# Altium PCB board.PcbDoc (part 1 of 2)
Units mm, origin at the board's own origin, x right, y up, seen from the top; angles counter-clockwise.
Board outline 41.15 x 167 mm, 2 copper layers (Top Layer, Bottom Layer), stack 1.66 mm thick; 155 components, 89 nets, 438 pads, 210 vias.
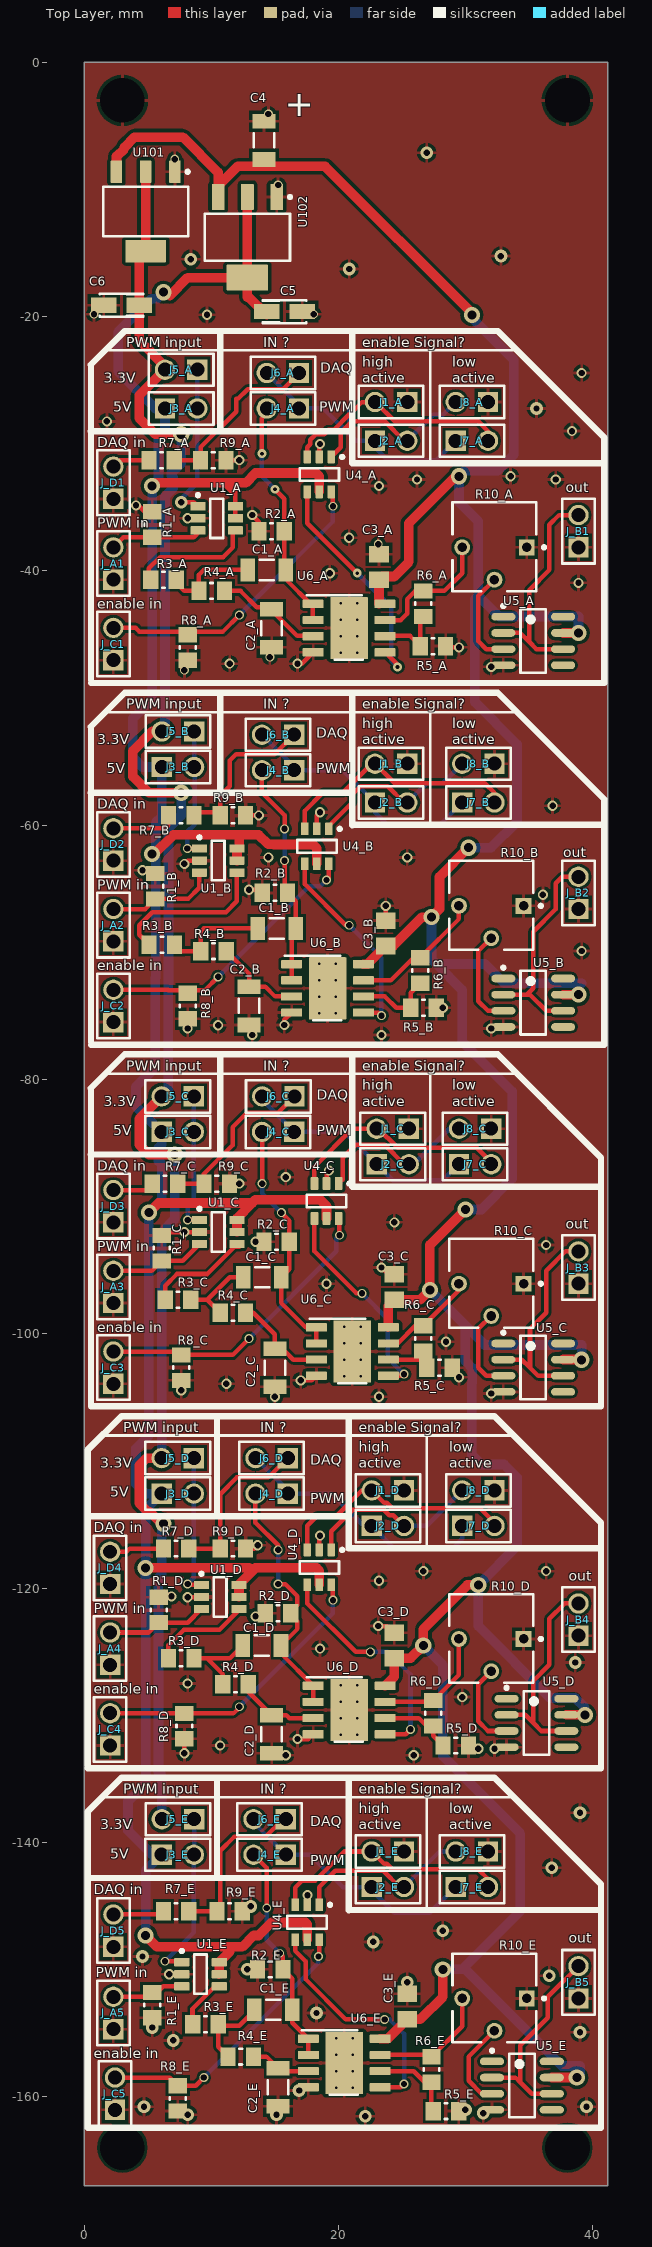
[diagram p0: Top Layer view]
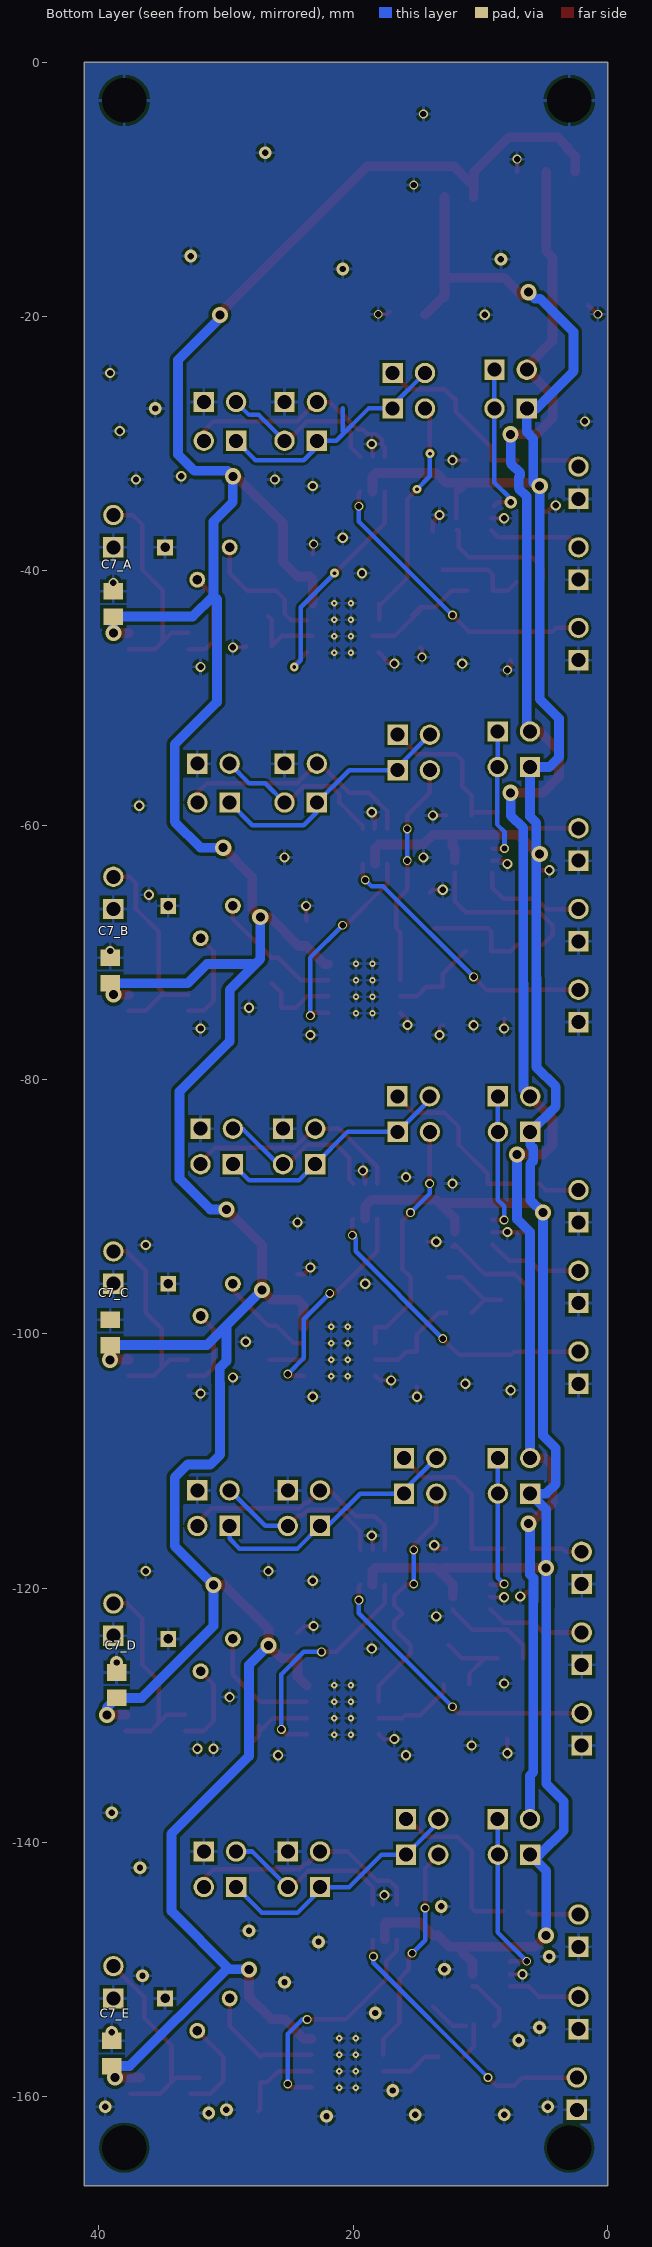
[diagram p1: Bottom Layer view, seen from below]
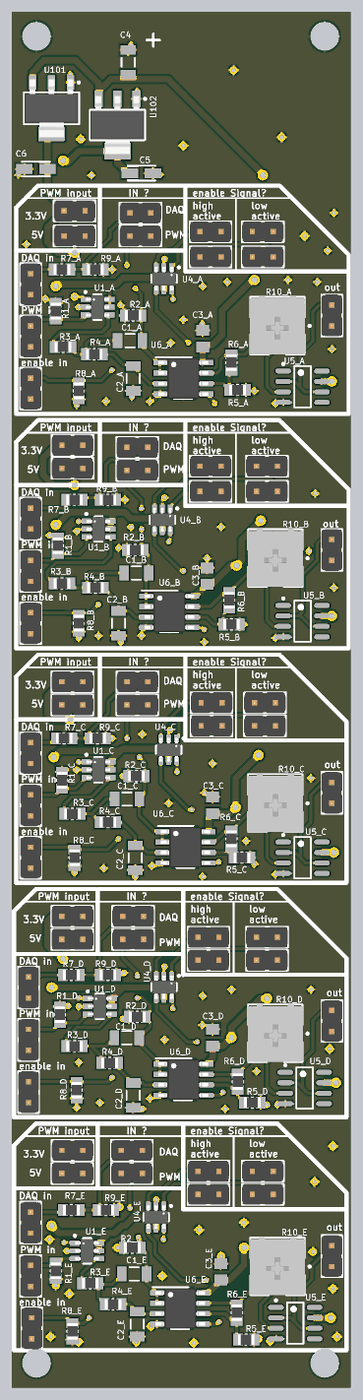
[diagram p3: 3D render of the assembled board from above, using the file's embedded part models]

## Layer stack, top to bottom
Top Solder: solder mask 0.0102, Solder Resist, Dk 3.5
Top Layer: signal copper 0.055
Dielectric1: dielectric 1.55, FR-4, Dk 4.8
Bottom Layer: signal copper 0.055
Bottom Solder: solder mask 0.0102, Solder Resist, Dk 3.5

## Board outline
0,-167 0,0 41.148,0 41.148,-167

## Design rules (kind name [scope] priority, off if disabled: settings)
Clearance clearance_polygons [InNamedPolygon('top_gnd_power')or InNamedPolygon('bottom_gnd_power') vs InNamedPolygon('top_gnd_uc')or InNamedPolygon('bottom_gnd_uc')] p1: gap=1.5 ignorepadtopadclearanceinfootprint=FALSE except(0: Arc-Hole Track-Hole SMDPad-Hole THPad-Hole Via-Hole Fill-Hole Poly-Hole Region-Hole Text-Hole)
Clearance ClearanceRoom [WithinRoom('less')  or WithinRoom('less1') or WithinRoom('less2') or WithinRoom('less3') or WithinRoom('less4')] p2: gap=0.203 ignorepadtopadclearanceinfootprint=FALSE except(0: Arc-Hole Track-Hole SMDPad-Hole THPad-Hole Via-Hole Fill-Hole Poly-Hole Region-Hole Text-Hole)
Clearance clearance_HP_class [InNetClass('high_power_net')] p3: gap=0.381 ignorepadtopadclearanceinfootprint=FALSE except(0: Arc-Hole Track-Hole SMDPad-Hole THPad-Hole Via-Hole Fill-Hole Poly-Hole Region-Hole Text-Hole)
Clearance "clearance_24V class" [InNetClass('24V_net')] p4: gap=0.254 ignorepadtopadclearanceinfootprint=FALSE except(0: Arc-Hole Track-Hole SMDPad-Hole THPad-Hole Via-Hole Fill-Hole Poly-Hole Region-Hole Text-Hole)
Clearance Clearance_1 [All] p5: gap=0.203 ignorepadtopadclearanceinfootprint=FALSE except(0: Arc-Hole Track-Hole SMDPad-Hole THPad-Hole Via-Hole Fill-Hole Poly-Hole Region-Hole Text-Hole)
FabricationTestPointUsage TestPointUsage [All] p1: valid=0 allowmultiple=FALSE
FabricationTestpoint Testpoint [All] p1: side=3 testpointundercomponent=TRUE minsize=1.016 maxsize=2.54 preferedsize=1.524 minholesize=0 maxholesize=1.016 preferedholesize=0.813 testpointgrid=0.025 allowsidetop=TRUE allowsidebottom=TRUE usegrid=TRUE gridtolerance=0
HoleSize [All] p1: absolutevalues=TRUE maxlimit=6 minlimit=0.025 maxpercent=80.000 minpercent=20.000
PolygonConnect PolygonConnect_Power [(InNet('+5V') OR InNet('-24VBUS'))] p1: connectstyle=Relief reliefconductorwidth=2.54 reliefentries=4 polygonreliefangle="90 Angle" airgapwidth=0.254
PolygonConnect [All] p2: connectstyle=Relief reliefconductorwidth=0.254 reliefentries=4 polygonreliefangle="90 Angle" airgapwidth=0.254
RoomDefinition D [InComponentClass('D')] p1: confinementstyle=ConfineOut formatcopy=TRUE lockcomponents=FALSE outline 7.62,-33.83 13.285,-33.83 13.285,-38.148 7.62,-38.148
RoutingVias "RoutingVias_24V class" [InNetClass('24V_net')] p1: holewidth=0.711 width=1.27 viastyle="Through Hole" minholewidth=0.711 minwidth=1.27 maxholewidth=0.711 maxwidth=1.27
RoutingVias [All] p2: holewidth=0.711 width=1.27 viastyle="Through Hole" minholewidth=0.3 minwidth=0.5 maxholewidth=0.711 maxwidth=1.27
SilkToSolderMaskClearance SilkscreenOverComponentPads [IsPad] p1: minsilkscreentomaskgap=0.254 clearancetoexposedcopper=TRUE
SolderMaskExpansion [All] p1: expansion=0.102
Width WidthRoom [WithinRoom('less')  or WithinRoom('less1') or WithinRoom('less2') or WithinRoom('less3') or WithinRoom('less4')] p1: maxlimit=0.356 minlimit=0.356 preferedwidth=0.356
Width Width_HC_class [InNetClass('High_Current_net')] p2: maxlimit=15.24 minlimit=1.524 preferedwidth=1.524
Width Width_HP_class [InNetClass('High_Power_net')] p3: maxlimit=1.016 minlimit=1.016 preferedwidth=1.016
Width "Width_24V class" [InNetClass('24V_net')] p4: maxlimit=0.762 minlimit=0.356 preferedwidth=0.762
Width Width_1 [All] p5: maxlimit=0.356 minlimit=0.356 preferedwidth=0.356
26 further rules are at their usual default settings.

## Classes and differential pairs
component class D: C1_D C2_D C3_D C7_D J1_D J2_D J3_D J4_D J5_D J6_D J7_D J8_D R1_D R2_D R3_D R4_D R5_D R6_D R7_D R8_D R9_D R10_D U1_D U4_D U5_D U6_D U?_D
component class C: C1_C C2_C C3_C C7_C J1_C J2_C J3_C J4_C J5_C J6_C J7_C J8_C R1_C R2_C R3_C R4_C R5_C R6_C R7_C R8_C R9_C R10_C U1_C U4_C U5_C U6_C U?_C
component class sheet_top: J_A1 J_A2 J_A3 J_A4 J_A5 J_B1 J_B2 J_B3 J_B4 J_B5 J_B6 J_C1 J_C2 J_C3 J_C4 J_C5 J_D1 J_D2 J_D3 J_D4 J_D5
component class sheetPower: C4 C5 C6 U101 U102
net class 24V_net: +3,3V +5V +10V
component class A: C1_A C2_A C3_A C7_A J1_A J2_A J3_A J4_A J5_A J6_A J7_A J8_A R1_A R2_A R3_A R4_A R5_A R6_A R7_A R8_A R9_A R10_A U1_A U4_A U5_A U6_A U?_A
channel class Sheet1: A A4
component class B: C1_B C2_B C3_B C7_B J1_B J2_B J3_B J4_B J5_B J6_B J7_B J8_B R1_B R2_B R3_B R4_B R5_B R6_B R7_B R8_B R9_B R10_B U1_B U4_B U5_B U6_B U?_B
component class E: C1_E C2_E C3_E C7_E J1_E J2_E J3_E J4_E J5_E J6_E J7_E J8_E R1_E R2_E R3_E R4_E R5_E R6_E R7_E R8_E R9_E R10_E U1_E U4_E U5_E U6_E

## Components (designator, comment, footprint, x,y, rotation, side; value= is the part's Value field where it differs from the comment)
C1_A "2.25uF" CAPC1206(3216)190_N 14.345,-39.926 r0 top (schematic designator C1)
C1_B "2.25uF" CAPC1206(3216)190_N 15.127,-68.12 r0 top (schematic designator C1)
C1_C "2.25uF" CAPC1206(3216)190_N 13.986,-95.552 r0 top (schematic designator C1)
C1_D "2.25uF" CAPC1206(3216)190_N 13.97,-124.508 r0 top (schematic designator C1)
C1_E "2.25uF" CAPC1206(3216)190_N 14.859,-153.162 r0 top (schematic designator C1)
C2_A "1.13uF" CAPC1206(3216)190_N 14.732,-44.514 r90 top (schematic designator C2)
C2_B "1.13uF" CAPC1206(3216)190_N 12.954,-74.216 r90 top (schematic designator C2)
C2_C "1.13uF" CAPC1206(3216)190_N 14.986,-102.664 r90 top (schematic designator C2)
C2_D "1.13uF" CAPC1206(3216)190_N 14.732,-131.493 r90 top (schematic designator C2)
C2_E "1.13uF" CAPC1206(3216)190_N 15.24,-159.258 r90 top (schematic designator C2)
C3_A "100nF" CAPC2013X88X50ML20T25 23.178,-39.688 r270 top (schematic designator C3)
C3_B "100nF" CAPC2013X88X50ML20T25 23.703,-68.5 r270 top (schematic designator C3)
C3_C "100nF" CAPC2013X88X50ML20T25 24.384,-96.314 r270 top (schematic designator C3)
C3_D "100nF" CAPC2013X88X50ML20T25 24.384,-124.508 r270 top (schematic designator C3)
C3_E "100nF" CAPC2013X88X50ML20T25 25.4,-152.908 r270 top (schematic designator C3)
C4 "10uF" CAPC1206(3216)190_N 14.127,-6.144 r270 top
C5 "4,7 µF" "A Package" 14.345,-19.606 r0 top
C6 "4,7 µF" "A Package" 4.324,-19.098 r180 top
C7_A "100nF" CAPC2013X88X50ML20T25 38.862,-42.593 r270 bottom (schematic designator C7)
C7_B "100nF" CAPC2013X88X50ML20T25 39.116,-71.422 r270 bottom (schematic designator C7)
C7_C "100nF" CAPC2013X88X50ML20T25 39.116,-99.886 r270 bottom (schematic designator C7)
C7_D "100nF" CAPC2013X88X50ML20T25 38.608,-127.638 r270 bottom (schematic designator C7)
C7_E "100nF" CAPC2013X88X50ML20T25 38.989,-156.591 r270 bottom (schematic designator C7)
J1_A "61300211121" 61300211121 25.4,-26.718 r180 top (schematic designator J1)
J1_B "61300211121" 61300211121 25.4,-55.166 r180 top (schematic designator J1)
J1_C "61300211121" 61300211121 25.527,-83.868 r180 top (schematic designator J1)
J1_D "61300211121" 61300211121 25.146,-112.316 r180 top (schematic designator J1)
J1_E "61300211121" 61300211121 25.146,-140.716 r180 top (schematic designator J1)
J2_A "61300211121" 61300211121 22.86,-29.766 r0 top (schematic designator J2)
J2_B "61300211121" 61300211121 22.86,-58.214 r0 top (schematic designator J2)
J2_C "61300211121" 61300211121 22.987,-86.662 r0 top (schematic designator J2)
J2_D "61300211121" 61300211121 22.606,-115.11 r0 top (schematic designator J2)
J2_E "61300211121" 61300211121 22.606,-143.51 r0 top (schematic designator J2)
J3_A "61300211121" 61300211121 6.35,-27.226 r0 top (schematic designator J3)
J3_B "61300211121" 61300211121 6.096,-55.42 r0 top (schematic designator J3)
J3_C "61300211121" 61300211121 6.08,-84.122 r0 top (schematic designator J3)
J3_D "61300211121" 61300211121 6.08,-112.57 r0 top (schematic designator J3)
J3_E "61300211121" 61300211121 6.08,-140.97 r0 top (schematic designator J3)
J4_A "61300211121" 61300211121 16.891,-27.226 r180 top (schematic designator J4)
J4_B "61300211121" 61300211121 16.51,-55.674 r180 top (schematic designator J4)
J4_C "61300211121" 61300211121 16.51,-84.122 r180 top (schematic designator J4)
J4_D "61300211121" 61300211121 16.002,-112.57 r180 top (schematic designator J4)
J4_E "61300211121" 61300211121 15.845,-140.97 r180 top (schematic designator J4)
J5_A "61300211121" 61300211121 8.89,-24.178 r180 top (schematic designator J5)
J5_B "61300211121" 61300211121 8.636,-52.626 r180 top (schematic designator J5)
J5_C "61300211121" 61300211121 8.62,-81.328 r180 top (schematic designator J5)
J5_D "61300211121" 61300211121 8.62,-109.776 r180 top (schematic designator J5)
J5_E "61300211121" 61300211121 8.636,-138.176 r180 top (schematic designator J5)
J6_A "61300211121" 61300211121 16.891,-24.432 r180 top (schematic designator J6)
J6_B "61300211121" 61300211121 16.51,-52.88 r180 top (schematic designator J6)
J6_C "61300211121" 61300211121 16.526,-81.328 r180 top (schematic designator J6)
J6_D "61300211121" 61300211121 16.002,-109.776 r180 top (schematic designator J6)
J6_E "61300211121" 61300211121 15.845,-138.176 r180 top (schematic designator J6)
J7_A "61300211121" 61300211121 29.21,-29.766 r0 top (schematic designator J7)
J7_B "61300211121" 61300211121 29.718,-58.214 r0 top (schematic designator J7)
J7_C "61300211121" 61300211121 29.464,-86.662 r0 top (schematic designator J7)
J7_D "61300211121" 61300211121 29.718,-115.11 r0 top (schematic designator J7)
J7_E "61300211121" 61300211121 29.21,-143.51 r0 top (schematic designator J7)
J8_A "61300211121" 61300211121 31.75,-26.718 r180 top (schematic designator J8)
J8_B "61300211121" 61300211121 32.258,-55.166 r180 top (schematic designator J8)
J8_C "61300211121" 61300211121 32.004,-83.868 r180 top (schematic designator J8)
J8_D "61300211121" 61300211121 32.258,-112.316 r180 top (schematic designator J8)
J8_E "61300211121" 61300211121 31.75,-140.716 r180 top (schematic designator J8)
J_A1 "61300211121" 61300211121 2.286,-40.688 r90 top
J_A2 "61300211121" 61300211121 2.286,-69.136 r90 top
J_A3 "61300211121" 61300211121 2.286,-97.584 r90 top
J_A4 "61300211121" 61300211121 2.032,-126.032 r90 top
J_A5 "61300211121" 61300211121 2.286,-154.686 r90 top
J_B1 "61300211121" 61300211121 38.862,-38.148 r90 top
J_B2 "61300211121" 61300211121 38.862,-66.596 r90 top
J_B3 "61300211121" 61300211121 38.862,-96.06 r90 top
J_B4 "61300211121" 61300211121 38.862,-123.746 r90 top
J_B5 "61300211121" 61300211121 38.862,-152.273 r90 top
J_C1 "61300211121" 61300211121 2.286,-47.022 r90 top
J_C2 "61300211121" 61300211121 2.286,-75.486 r90 top
J_C3 "61300211121" 61300211121 2.286,-103.934 r90 top
J_C4 "61300211121" 61300211121 2.032,-132.382 r90 top
J_C5 "61300211121" 61300211121 2.413,-161.036 r90 top
J_D1 "61300211121" 61300211121 2.286,-34.338 r90 top
J_D2 "61300211121" 61300211121 2.286,-62.786 r90 top
J_D3 "61300211121" 61300211121 2.286,-91.234 r90 top
J_D4 "61300211121" 61300211121 2.032,-119.682 r90 top
J_D5 "61300211121" 61300211121 2.286,-148.209 r90 top
R1_A "10k" YAGO-RC0805_M 5.334,-36.354 r270 top (schematic designator R1)
R1_B "10k" YAGO-RC0805_M 5.588,-64.802 r270 top (schematic designator R1)
R1_C "10k" YAGO-RC0805_M 6.096,-93.266 r270 top (schematic designator R1)
R1_D "10k" YAGO-RC0805_M 5.842,-121.714 r270 top (schematic designator R1)
R1_E "10k" YAGO-RC0805_M 5.334,-152.797 r90 top (schematic designator R1)
R2_A "10k" YAGO-RC0805_M 14.732,-36.878 r0 top (schematic designator R2)
R2_B "10k" YAGO-RC0805_M 14.986,-65.326 r0 top (schematic designator R2)
R2_C "10k" YAGO-RC0805_M 15.127,-92.758 r0 top (schematic designator R2)
R2_D "10k" YAGO-RC0805_M 15.24,-121.968 r0 top (schematic designator R2)
R2_E "10k" YAGO-RC0805_M 14.621,-149.987 r0 top (schematic designator R2)
R3_A "10k" YAGO-RC0805_M 6.223,-40.688 r180 top (schematic designator R3)
R3_B "10k" YAGO-RC0805_M 6.096,-69.39 r180 top (schematic designator R3)
R3_C "10k" YAGO-RC0805_M 7.366,-97.33 r180 top (schematic designator R3)
R3_D "10k" YAGO-RC0805_M 7.62,-125.524 r180 top (schematic designator R3)
R3_E "10k" YAGO-RC0805_M 9.525,-154.305 r180 top (schematic designator R3)
R4_A "10k" YAGO-RC0805_M 10.017,-41.577 r180 top (schematic designator R4)
R4_B "10k" YAGO-RC0805_M 10.16,-69.898 r180 top (schematic designator R4)
R4_C "10k" YAGO-RC0805_M 11.684,-98.346 r180 top (schematic designator R4)
R4_D "10k" YAGO-RC0805_M 11.889,-127.556 r180 top (schematic designator R4)
R4_E "10k" YAGO-RC0805_M 12.303,-156.845 r180 top (schematic designator R4)
R5_A "open" YAGO-RC0805_M 27.416,-45.914 r180 top (schematic designator R5)
R5_B "open" YAGO-RC0805_M 26.67,-74.358 r180 top (schematic designator R5)
R5_C "open" YAGO-RC0805_M 27.94,-102.664 r180 top (schematic designator R5)
R5_D "open" YAGO-RC0805_M 29.21,-132.382 r180 top (schematic designator R5)
R5_E "open" YAGO-RC0805_M 28.448,-161.131 r180 top (schematic designator R5)
R6_A "0" YAGO-RC0805_M 26.67,-42.577 r90 top (schematic designator R6)
R6_B "0" YAGO-RC0805_M 26.416,-71.422 r90 top (schematic designator R6)
R6_C "0" YAGO-RC0805_M 26.67,-100.362 r90 top (schematic designator R6)
R6_D "0" YAGO-RC0805_M 27.432,-129.842 r90 top (schematic designator R6)
R6_E "0" YAGO-RC0805_M 27.305,-157.861 r90 top (schematic designator R6)
R7_A "1k" YAGO-RC0805_M 6.08,-31.29 r180 top (schematic designator R7)
R7_B "1k" YAGO-RC0805_M 7.62,-59.23 r180 top (schematic designator R7)
R7_C "1k" YAGO-RC0805_M 6.35,-88.186 r180 top (schematic designator R7)
R7_D "1k" YAGO-RC0805_M 7.223,-116.888 r180 top (schematic designator R7)
R7_E "1k" YAGO-RC0805_M 7.223,-145.415 r180 top (schematic designator R7)
R8_A "10k" YAGO-RC0805_M 8.128,-46.022 r270 top (schematic designator R8)
R8_B "10k" YAGO-RC0805_M 8.128,-74.216 r270 top (schematic designator R8)
R8_C "10k" YAGO-RC0805_M 7.62,-102.664 r270 top (schematic designator R8)
R8_D "10k" YAGO-RC0805_M 7.874,-130.858 r270 top (schematic designator R8)
R8_E "10k" YAGO-RC0805_M 7.35,-160.131 r270 top (schematic designator R8)
R9_A "1.5k" YAGO-RC0805_M 10.144,-31.29 r180 top (schematic designator R9)
R9_B "1.5k" YAGO-RC0805_M 11.684,-59.23 r180 top (schematic designator R9)
R9_C "1.5k" YAGO-RC0805_M 10.414,-88.186 r180 top (schematic designator R9)
R9_D "1.5k" YAGO-RC0805_M 11.684,-116.888 r180 top (schematic designator R9)
R9_E "1.5k" YAGO-RC0805_M 11.43,-145.415 r180 top (schematic designator R9)
R10_A "10k" "Typ 3362P" 34.798,-38.148 r180 top (schematic designator R10)
R10_B "10k" "Typ 3362P" 34.544,-66.342 r180 top (schematic designator R10)
R10_C "10k" "Typ 3362P" 34.544,-96.06 r180 top (schematic designator R10)
R10_D "10k" "Typ 3362P" 34.544,-124 r180 top (schematic designator R10)
R10_E "10k" "Typ 3362P" 34.798,-152.273 r180 top (schematic designator R10)
U1_A "SN74LVC1T45DBVT" DBV0006A_M 10.414,-35.862 r0 top (schematic designator U1)
U1_B "SN74LVC1T45DBVT" DBV0006A_M 10.527,-62.786 r0 top (schematic designator U1)
U1_C "SN74LVC1T45DBVT" DBV0006A_M 10.527,-91.996 r0 top (schematic designator U1)
U1_D "SN74LVC1T45DBVT" DBV0006A_M 10.684,-120.698 r0 top (schematic designator U1)
U1_E "SN74LVC1T45DBVT" DBV0006A_M 9.144,-150.368 r0 top (schematic designator U1)
U4_A "SN74LVC1G3157" DBV0006A_N 19.431,-31.036 r270 top (schematic designator U4)
U4_B "SN74LVC1G3157" DBV0006A_N 19.238,-60.29 r270 top (schematic designator U4)
U4_C "SN74LVC1G3157" DBV0006A_N 20,-88.186 r270 top (schematic designator U4)
U4_D "SN74LVC1G3157" DBV0006A_N 19.431,-116.998 r270 top (schematic designator U4)
U4_E "SN74LVC1G3157" DBV0006A_N 18.476,-144.907 r270 top (schematic designator U4)
U5_A "AD8029ARZ" ADI-R-8_L 35.306,-45.514 r0 top (schematic designator U5)
U5_B "AD8029ARZ" ADI-R-8_L 35.306,-73.962 r0 top (schematic designator U5)
U5_C "AD8029ARZ" ADI-R-8_L 35.306,-102.664 r0 top (schematic designator U5)
U5_D "AD8029ARZ" ADI-R-8_L 35.56,-130.604 r0 top (schematic designator U5)
U5_E "AD8029ARZ" ADI-R-8_L 34.417,-159.131 r0 top (schematic designator U5)
U6_A "OPA2211AIDDA" DDA0008C_M 20.828,-44.498 r0 top (schematic designator U6)
U6_B "OPA2211AIDDA" DDA0008C_M 19.131,-72.834 r0 top (schematic designator U6)
U6_C "OPA2211AIDDA" DDA0008C_M 21.082,-101.394 r0 top (schematic designator U6)
U6_D "OPA2211AIDDA" DDA0008C_M 20.828,-129.588 r0 top (schematic designator U6)
U6_E "OPA2211AIDDA" DDA0008C_M 20.447,-157.353 r0 top (schematic designator U6)
U101 "LM1117IMP-3.3/NOPB" DCY0004A_N 4.826,-11.732 r270 top
U102 "LM1117IMP-5.0/NOPB" DCY0004A_M 12.827,-13.764 r270 top

## Footprints (in the part's own frame and the unit in brackets; to place one, negate y for a bottom-side part, rotate by r counter-clockwise, add the part's x,y. Pads: shape width x height; smd on the part's side, far side on the other; paste and mask are expansions set on the pad)
61300211121 [mm] "2Pol; gerade; WR-PHD 2.54 mm THT Pin Header"
  rect 1.6x1.6 hole 1.1: 1(0,0)
  round 1.6 hole 1.1: 2(2.54,0)
  silkscreen extent -1.27,-1.27 3.81,1.27, body extent -1.27,-1.27 3.81,1.27, height 8.57
"A Package" [mm] "A Package; Low Density"
  rect 2x1.2 smd: 1(0,0) 2(2.8,0)
  silkscreen extent -0.3,-0.9 3.1,0.9
ADI-R-8_L [mm] "SOIC, 8-Leads, Body 4.9x3.9mm, Pitch 1.27mm, IPC High Density"
  oval 1.9x0.6 smd: 1(-2.35,1.905) 2(-2.35,0.635) 3(-2.35,-0.635) 4(-2.35,-1.905) 5(2.35,-1.905) 6(2.35,-0.635) 7(2.35,0.635) 8(2.35,1.905)
  silkscreen extent -2.47,-2.5 1,2.88, body extent -2,-2.5 2,2.5, height 1.75
CAPC1206(3216)190_N [mm] "Chip Capacitor, Body 3.2x1.6mm, Height 1.9mm, IPC Medium Density"
  rect 1.15x1.8 smd: 1(-1.5,0) 2(1.5,0)
  silkscreen extent -0.55,-0.8 0.55,0.8, body extent -1.7,-0.9 1.7,0.9, height 1.9
CAPC2013X88X50ML20T25 [mm] "Chip Capacitor, 2-Leads, Body 2.00x1.25mm, IPC Low Density"
  rect 1.3x1.55 smd: 1(-1,0) 2(1,0)
  body extent -1.1,-0.72 1.1,0.72, height 0.88
DBV0006A_M [mm] "SOT23, 6-Leads, Body 3.05x1.75mm, Pitch 0.95mm, IPC Low Density"
  rrect15% 1.2x0.65 smd: 1(-1.475,0.95) 2(-1.475,0) 3(-1.475,-0.95) 4(1.475,-0.95) 5(1.475,0) 6(1.475,0.95)
  silkscreen extent -1.6,-1.55 0.5,1.95, body extent -1.42,-1.46 1.42,1.46, height 1.11
DBV0006A_N [mm] "SOT23, 6-Leads, Body 3.05x1.75mm, Pitch 0.95mm, IPC Medium Density"
  rrect17% 1x0.6 smd: 1(0,0) 2(0,-0.95) 3(0,-1.9) 4(2.75,-1.9) 5(2.75,-0.95) 6(2.75,0)
  silkscreen extent -0.12,-2.5 1.88,0.98, body extent -0.05,-2.41 2.8,0.51, height 1.11
DCY0004A_M [mm] "SOT223, 4-Leads, Body 6.7x3.7mm, Pitch 2.3mm, IPC Low Density"
  rrect10% 2.05x1 smd: 1(-3.175,2.3) 2(-3.175,0) 3(-3.175,-2.3)
  rrect5% 2.05x3.25 smd: 4(3.175,0)
  silkscreen extent -3.3,-3.35 1.85,3.48, body extent -3.5,-3.25 3.5,3.25, height 1.62
DCY0004A_N [mm] "SOT223, 4-Leads, Body 6.7x3.7mm, Pitch 2.3mm, IPC Medium Density"
  rrect11% 1.75x0.9 smd: 1(-3.125,2.3) 2(-3.125,0) 3(-3.125,-2.3)
  rrect6% 1.75x3.2 smd: 4(3.125,0)
  silkscreen extent -3.25,-3.35 1.95,3.43, body extent -3.5,-3.25 3.5,3.25, height 1.62
DDA0008C_M [mm] "SOP, 8-Leads, Body 4x5mm, Pitch 1.27mm, Thermal Pad 2.4x3mm, IPC Low Density"
  rrect15% 1.65x0.65 smd: 1(-2.825,1.905) 2(-2.825,0.635) 3(-2.825,-0.635) 4(-2.825,-1.905) 5(2.825,-1.905) 6(2.825,-0.635) 7(2.825,0.635) 8(2.825,1.905)
  rrect4% 2.95x4.9 smd paste-1.5 mask-1.5: 9(0,0)
  rrect4% 2.49x3 on Top Paste: 9(0,0)
  rrect4% 2.49x3 on Top Solder: 9(0,0)
  silkscreen extent -3.35,-2.5 1.07,2.58, body extent -3.01,-2.45 3.01,2.45, height 1.7
"Typ 3362P" [mm] "Trimmer_stehend_quadratisch_Verstellung-von-oben"
  rect 1.25x1.25 hole 0.75: 1(0,0)
  round 1.25 hole 0.75: 2(2.54,2.54) 3(5.08,0)
  silkscreen extent -1.49,-3.53 5.84,3.46, body extent -0.81,-3.58 5.89,3.45, height 4.71
YAGO-RC0805_M [mm] "Chip Resistor, 2-Leads, Body 2.00x1.25mm, IPC Low Density"
  rect 1.2x1.45 smd: 1(-1,0) 2(1,0)
  silkscreen extent -0.1,-0.63 0.1,0.63, body extent -1,-0.62 1,0.63, height 0.6

## Part data
C1_A C1_B C1_C C1_D C1_E C2_A C2_B C2_C C2_D C2_E: library part CMP-001-0138-A.1, "CAP CER 1UF 10V X7R 1206", Manufacturer="Wurth Electronics Inc.", Manufacturer Part Number=885012208013, Operating Temperature="-55°C ~ 125°C", Package / Case="1206 (3216 Metric)", Ratings=-, Supplier Part Number=732-7685-1-ND, Temperature Coefficient=X7R, Tolerance=±10%, Voltage - Rated=10V, Applications="General Purpose", ComponentLink1Description=885012208013.pdf, ComponentLink1URL=http://katalog.we-online.de/pbs/datasheet/885012208013.pdf, Features=-, Height - Seated (Max)=-, Lead Spacing=-, Lead Style=-, Mounting Type="Surface Mount, MLCC", Notification="Current market demand for these product types have resulted in fluctuating and extending lead times. Lead times may differ.", Packaging="Cut Tape (CT)", Part Status=Active, Size / Dimension="0.126\" L x 0.063\" W (3.20mm x 1.60mm)", Supplier=Digi-Key, Thickness (Max)="0.051\" (1.30mm)"
C3_A C3_B C3_C C3_D C3_E C7_A C7_B C7_C C7_D C7_E: library part CMP-001-0082-2, "generic 0805 COG oder X7R Vielschichtkondensatoren max. +/-10%"
C4: library part CMP-00471-2, "CAP 10uF 25V -20% to +80% 1206 (3216 Metric) Thickness 1.9mm SMD", Case-EIA=1206, Case-Metric=3216, Manufacturer="Wurth Electronics Inc.", Manufacturer Part Number=885012208069, Operating Temperature="-55°C ~ 125°C", Package / Case="1206 (3216 Metric)", PartNumber="885 012 208 069", Rated Voltage="25 V", Supplier Part Number=732-7574-2-ND, Temperature Coefficient=X7R, Tolerance="-20% to +80%", ComponentLink1Description=885012208069.pdf, ComponentLink1URL=http://katalog.we-online.de/pbs/datasheet/885012208069.pdf, Max Thickness="1.9 mm", Mounting Type="Surface Mount, MLCC", Packaging="Tape & Reel (TR)", Part Status=Active, Size / Dimension="0.126\" L x 0.063\" W (3.20mm x 1.60mm)", Supplier=Digi-Key, Technology=SMT, Thickness (Max)="0.075\" (1.90mm)"
C5 C6: library part CMP-001-0039-3, "4,7 µF; 6V; Gr. A; T491A475K006AT", Capacitance=4.7µF, ESR (Equivalent Series Resistance)="6 Ohm", Lifetime @ Temp.="2000 Hrs @ 85°C", Manufacturer=KEMET, Manufacturer Size Code=A, Operating Temperature="-55°C ~ 125°C", Package / Case="1206 (3216 Metric)", PartNumber=T491A475K006AT, Supplier Part Number=399-9717-1-ND, Tolerance=±10%, Voltage - Rated=6.3V, ComponentLink1Description=KEM_T2005_T491.pdf, ComponentLink1URL=http://www.kemet.com/Lists/ProductCatalog/Attachments/254/KEM_T2005_T491.pdf, Failure Rate=-, Features="General Purpose", Height - Seated (Max)="0.071\" (1.80mm)", Lead Spacing=-, Mounting Type="Surface Mount", Packaging="Cut Tape (CT)", Part Status=Active, Size / Dimension="0.126\" L x 0.063\" W (3.20mm x 1.60mm)", Supplier=Digi-Key, Type=Molded
J1_A J1_B J1_C J1_D J1_E J2_A J2_B J2_C J2_D J2_E J3_A J3_B J3_C J3_D J3_E J4_A J4_B J4_C J4_D J4_E J5_A J5_B J5_C J5_D J5_E J6_A J6_B J6_C J6_D J6_E J7_A J7_B J7_C J7_D J7_E J8_A J8_B J8_C J8_D J8_E J_A1 J_A2 J_A3 J_A4 J_A5 J_B1 J_B2 J_B3 J_B4 J_B5 J_C1 J_C2 J_C3 J_C4 J_C5 J_D1 J_D2 J_D3 J_D4 J_D5: library part CMP-001-0071-1, "2Pol; gerade; WR-PHD 2.54 mm THT Pin Header", Current Rating="3 A", Flammability Rating="UL 94 V-0", Insulation Resistance="1 GOhms", Manufacturer="Wurth Electronics", Supplier Part Number=710-61300211121, Voltage Rating="250 V", Accessory Type=-, Application="Wire to Board", Brand="Wurth Electronics", ComponentLink1Description=6130xx11121-538006.pdf, ComponentLink1URL=http://www.mouser.com/ds/2/445/6130xx11121-538006.pdf, Contact Gender="Pin (Male)", Contact Material="Copper Alloy", Contact Plating=Gold, Contact Type=-, Housing Gender=-, Housing Material="Polybutylene Terephthalate (PBT)", Latching Type=Unlatched, Manufacturer Part Number=61300211121, Mating Post Length="6 mm", Minimum Order Quantity=1, Mounting Angle=Straight, Mounting Style="Straight Pin", Number of Positions="2 Position", Number of Rows="1 Row", Packaging=Bulk, PartNumber=61300211121, Pitch="2.54 mm", Product=Headers, Reeling=False, RoHS - Mouser=Y, Row Spacing=-, Series=WR-PHD, Standard Pack Qty=1000, Supplier=Mouser, Termination Post Length="3 mm", Termination Style="Through Hole", Type="Pin Strip"
R1_A R1_B R1_C R1_D R1_E R2_A R2_B R2_C R2_D R2_E R3_A R3_B R3_C R3_D R3_E R4_A R4_B R4_C R4_D R4_E R5_A R5_B R5_C R5_D R5_E R6_A R6_B R6_C R6_D R6_E R7_A R7_B R7_C R7_D R7_E R8_A R8_B R8_C R8_D R8_E R9_A R9_B R9_C R9_D R9_E: library part CMP-001-0027-2, "0805 Yageo Standard BlackBox Resistors", Manufacturer=Yageo, Operating Temperature="-55°C ~ 155°C", Package / Case="0805 (2012 Metric)", Power (Watts)="0.125W, 1/8W", Supplier Device Package=0805, Temperature Coefficient=±200ppm/°C, Tolerance=±1%, ComponentLink1Description=PYu-RC_Group_51_RoHS_L_7.pdf, ComponentLink1URL=http://www.yageo.com/documents/recent/PYu-RC_Group_51_RoHS_L_7.pdf, Composition="Thick Film", Failure Rate=-, Features="Moisture Resistant", Height - Seated (Max)="0.024\" (0.60mm)", Packaging=Digi-Reel®, Part Status=Active, Size / Dimension="0.079\" L x 0.049\" W (2.00mm x 1.25mm)"
R10_A R10_B R10_C R10_D R10_E: library part CMP-001-0077-3, "Trimmer_stehend_quadratisch_Verstellung-von-oben", Manufacturer="Bourns Inc.", Manufacturer Part Number=3362P-1-103LF, Power (Watts)="0.5W, 1/2W", Resistive Material=Cermet, Supplier Part Number=3362P-103LF-ND, Temperature Coefficient=±100ppm/°C, Tolerance=±10%, Adjustment Type="Top Adjustment", ComponentLink1Description=3362.pdf, ComponentLink1URL=http://www.bourns.com/docs/Product-Datasheets/3362.pdf, Mounting Type="Through Hole", Number of Turns=1, Packaging=Tube, PartNumber=3362P-1-103LF, Part Status=Active, Resistance (Ohms)=10k, Size / Dimension="Rectangular - 0.275\" x 0.260\" Face x 0.185\" H (6.99mm x 6.60mm x 4.70mm)", Supplier=Digi-Key, Termination Style="PC Pins"
U1_A U1_B U1_C U1_D U1_E: library part CMP-00492-1, "Single-Bit Dual-Supply Bus Transceiver with Configurable Voltage Translation and 3-State Outputs, DBV0006A, SMALL T&R", F @ Nom Voltage(Max)(Mhz)=150, Generic Part Number=SN74LVC1T45, ICC @ Nom Voltage(Max)(mA)=0.004, Manufacturer="Texas Instruments", Operating Temperature Range(C)="-40 to 85", Rating=Catalog, tpd @ Nom Voltage(Max)(ns)=15.5,8,5.8,4.4, Voltage(Nom)(V)=1.8,2.5,3.3,5, 3-State Output=Yes, Bits(#)=1, DatasheetVersion=SCES515K, Input Type=CMOS/TTL, Logic=True, Output Drive (IOL/IOH)(Max)(mA)=32/-32, Output Type=CMOS, PackageReference=DBV0006A, Schmitt Trigger=No, Sub-Family="Dual Supply Translator", Technology Family=LVC, VCC(Max)(V)=5.5, VCC(Min)(V)=1.65
U4_A U4_B U4_C U4_D U4_E: library part CMP-001-0106-A.1, "Analoger Schalter Single SPDT(Wechsler) SOT23-6", Channel Capacitance (CS(off), CD(off))=5.2pF, Current - Leakage (IS(off)) (Max)=1µA, Manufacturer="Texas Instruments", Manufacturer Part Number=74LVC1G3157DBVRE4, On-State Resistance (Max)="15 Ohm", Operating Temperature="-40°C ~ 85°C (TA)", Package / Case=SOT-23-6, PartNumber=SN74LVC1G3157DBVR, Supplier Part Number=74LVC1G3157DBVRE4-ND, Voltage - Supply, Dual (V±)=-, Voltage - Supply, Single (V+)="1.65 V ~ 5.5 V", -3db Bandwidth=300MHz, Channel-to-Channel Matching (&Delta;Ron)="100 mOhm", Charge Injection=7pC, ComponentLink1Description=sn74lvc1g3157.pdf, ComponentLink1URL=http://www.ti.com/lit/ds/symlink/sn74lvc1g3157.pdf, Crosstalk="-54dB @ 10MHz", Multiplexer/Demultiplexer Circuit=2:1, Packaging="Tape & Reel (TR)", Part Status=Active, Supplier=Digi-Key, Supplier Device Package=SOT-23-6, Switch Circuit=SPDT, Switch Time (Ton, Toff) (Max)="5.7ns, 3.8ns"
U5_A U5_B U5_C U5_D U5_E: library part CMP-00480-1, "Single Channel RRIO Operational Amplifier, 125 MHz BW, 62 V/us SR, Industrial, 8-pin SOIC (R-8), Tube", Amplifiers Per Package=1, Generic Part Number=AD8029, Input Bias Current=700nA, Input Offset Voltage=1.6mV, Manufacturer="Analog Devices", Code_JEDEC=MS-012-AA, ComponentLink1Description="Manufacturer URL", ComponentLink1URL=http://www.analog.com/en/index.html, ComponentLink2Description=Datasheet, ComponentLink2URL=http://www.analog.com/static/imported-files/data_sheets/AD8029_8030_8040.pdf, ComponentLink3Description="Package Specification", ComponentLink3URL=http://www.analog.com/static/imported-files/packages/PKG_PDF/SOIC_Narrow%20(R)/R_8.pdf, DatasheetVersion="Rev. B", Iq/Amp=1.5mA, Mounting Technology="Surface Mount", PackageDescription="8-Pin Standard Small Outline Package, Body 3.9 x 4.9 mm, Pitch 1.27 mm", PackageReference=R-8, PackageVersion=060506-A, PartNumber=AD8029ARZ, Slew Rate=62V/us, Small Signal Bandwidth=125MHz, V Span Max=12V, V Span Min=2.7V
U6_A U6_B U6_C U6_D U6_E: library part CMP-00511-1, "1.1 nV/rtHz Noise, Low Power, Precision Operational Amplifier, 4.5 to 36 V, -40 to 125 degC, 8-pin SOP (DDA8), Green (RoHS & no Sb/Br)", Manufacturer="Texas Instruments", Rating=Catalog, Total Supply Voltage(Max)(+5V is 5, +/-5V is 10)=36, Total Supply Voltage(Min)(+5V is 5, +/-5V is 10)=4.5, CMRR(Min)(dB)=114, Code_JEDEC=MS-012, ComponentLink1Description="Manufacturer URL", ComponentLink1URL=http://www.ti.com/, ComponentLink2Description=Datasheet, ComponentLink2URL=http://www.ti.com/lit/ds/symlink/opa2211a.pdf, ComponentLink3Description="Package Specification", ComponentLink3URL=http://www.ti.com/litv/pdf/mpds092e, DatasheetVersion=SBOS377G, Eco-Plan="Green (RoHS & no Sb/Br)", GBW(Typ)(MHz)=45, IIB(Max)(pA)=175000, Iq per channel(Max)(mA)=4.5, Mounting Technology="Surface Mount", Number of Channels=2, Offset Drift(Typ)(uV/C)=0.35, PackageDescription="8-Pin PowerPAD(TM) Plastic Small Outline, Body 3.9 x 4.9 mm, Pitch 1.27 mm", PackageReference=DDA0008C, PackageVersion="4202561/F, 12/2011", Packing=TUBE, PartId=2, PartNumber=OPA2211AIDDA, Slew Rate(Typ)(V/us)=27, Sub Family="High Supply Voltage Amplifier (>=30V), Low Noise Amp (<=10nV/rtHz), Low Offset Voltage Amplifier (<=500uV), Precision Amplifier", Vio (25C)(Max)(mV)=0.15
U101: library part CMP-00484-1, "800mA Low-Dropout Linear Regulator, 4-pin SOT-223, Pb-Free", Manufacturer="Texas Instruments", PackageTopMarking=XYTT*N05B, PowerWise=N, Code_IPC=SOT223-4, Code_JEDEC=TO-261-AA, ComponentLink1Description="Datasheet URL", ComponentLink1URL=http://www.ti.com/general/docs/lit/getliterature.tsp?genericPartNumber=LM1117-N&fileType=pdf, CompType="LDO IC", High-Reliability=Y, PackageDescription="Molded SOT-223, 6.50 x 3.56 x 1.6mm Body, 4 Lead, 2.3mm Pitch", PackageReference=DCY0004A, PartNumber=LM1117IMP-3.3/NOPB, PinCount=4, RoHS=Y
U102: library part CMP-00485-1, "800mA Low-Dropout Linear Regulator, 4-pin SOT-223, Pb-Free", Manufacturer="Texas Instruments", PackageTopMarking=XYTT*N06B, PowerWise=N, Code_IPC=SOT223-4, Code_JEDEC=TO-261-AA, ComponentLink1Description="Datasheet URL", ComponentLink1URL=http://www.ti.com/general/docs/lit/getliterature.tsp?genericPartNumber=LM1117-N&fileType=pdf, CompType="LDO IC", High-Reliability=Y, PackageDescription="Molded SOT-223, 6.50 x 3.56 x 1.6mm Body, 4 Lead, 2.3mm Pitch", PackageReference=DCY0004A, PartNumber=LM1117IMP-5.0/NOPB, PinCount=4, RoHS=Y

## Free pads (board coordinates)
  round 3.302 hole 3.505 unplated: 0(3,-164) 0(3,-3) 0(38,-164) 0(38,-3)

## Via types
v1: diameter 0.8, hole 0.5, Top Layer to Bottom Layer, 76 vias
v2: diameter 0.7, hole 0.5, Top Layer to Bottom Layer, 38 vias
v3: diameter 1, hole 0.5, Top Layer to Bottom Layer, 28 vias
v4: diameter 1.27, hole 0.711, Top Layer to Bottom Layer, 24 vias
v5: diameter 0.5, hole 0.2, Top Layer to Bottom Layer, 20 vias
v6: diameter 0.5, hole 0.2, Top Layer to Bottom Layer, tented both sides, 20 vias
v7: diameter 0.7, hole 0.3, Top Layer to Bottom Layer, 4 vias

## Nets (pads, with @x,y where several pads share a name; then routed paths per layer and width w, separated by ;. In a path a pad name is that pad's centre, name@x,y a point inside that pad or via, vN(x,y) a via of type N, cw(c..) or ccw(c..) an arc to the next point about the centre after c; other vN are vias at no path point)
+3,3V: C6.1 J5_A.2 J5_B.2 J5_C.2 J5_D.2 J5_E.2 U101.2 U101.4 | length 146.3
  Top Layer w0.762: U101.2@4.826,-8.607 U101.4@4.826,-14.857 4.324,-15.359 C6.1@4.324,-19.098 4.324,-21.898 6.35,-23.924 J5_A.2@6.35,-24.178 4.318,-26.21 4.318,-27.988 5.588,-29.258 v4(7.62,-29.258) ; J5_D.2@6.08,-109.776 4.905,-109.776 4.318,-110.363 4.318,-113.306 5.017,-114.005 5.15,-114.005 6.08,-114.935 v4(6.223,-114.935) ; J5_C.2@6.08,-81.328 4.324,-83.084 4.324,-85.144 5.08,-85.9 v4(7.112,-85.9) ; J5_B.2@6.096,-52.626 5.334,-52.626 3.81,-54.15 3.81,-56.182 5.08,-57.452 v4(7.62,-57.452)
  Bottom Layer w0.762: J5_D.2@6.08,-109.776 6.096,-109.76 6.096,-91.996 7.112,-90.98 v4(7.112,-85.9) ; J5_C.2@6.08,-81.328 6.604,-80.804 6.604,-72.438 6.623,-72.419 6.623,-60.227 7.62,-59.23 v4(7.62,-57.452) ; J5_E.2@6.096,-138.176 6.096,-134.747 5.842,-134.493 5.842,-121.098 5.823,-121.079 5.823,-119.211 6.096,-118.938 6.096,-115.062 v4(6.223,-114.935) ; J5_B.2@6.096,-52.626 6.35,-52.372 6.35,-34.14 6.988,-33.501 6.988,-32.635 6.858,-32.504 6.858,-32.306 7.62,-31.544 v4(7.62,-29.258) ; J5_A.2@6.35,-24.178 J5_A.2@6.35,-23.924
+5V: C5.1 J3_A.1 J3_B.1 J3_C.1 J3_D.1 J3_E.1 U1_A.5 U1_A.6 U1_B.5 U1_B.6 U1_C.5 U1_C.6 U1_D.5 U1_D.6 U1_E.5 U1_E.6 U4_A.5 U4_B.5 U4_C.5 U4_D.5 U4_E.5 U102.2 U102.4 | length 249.8
  Top Layer w0.356: 11.689,-33.581 11.889,-33.781 U1_A.6@11.889,-34.912 U1_A.5@11.889,-35.862
  Top Layer w0.762: v4(4.826,-147.32) 5.715,-148.209 11.43,-148.209 ; v4(4.826,-118.412) 12.954,-118.412 13.208,-118.666 13.462,-118.412 ; v4(5.08,-90.472) 5.842,-89.71 13.208,-89.71 ; v4(5.334,-62.278) 5.483,-62.278 7.007,-60.754 12.192,-60.754 ; v4@5.588,-33.068 11.176,-33.068 ; v4(6.223,-18.082) 6.477,-18.082 6.731,-18.336 8.128,-16.939 U102.4@12.827,-16.939 ; U1_E.5@10.619,-150.358 U1_E.6@10.619,-149.418 11.43,-148.607 11.43,-148.209 ; 11.689,-33.581 11.176,-33.068 ; U1_C.5@12.002,-91.986 U1_C.6@12.002,-91.046 12.002,-90.916 13.208,-89.71 ; U1_B.5@12.002,-62.776 U1_B.6@12.002,-61.836 12.192,-61.646 12.192,-60.754 ; U1_D.5@12.159,-120.688 U1_D.6@12.159,-119.748 12.159,-119.715 13.462,-118.412 ; 12.827,-18.463 U102.4@12.827,-16.939 ; U102.2@12.827,-10.589 U102.4@12.827,-16.939 ; 12.89,-18.4 C5.1@14.351,-19.86 ; U4_E.5@17.526,-147.657 17.526,-146.431 17.399,-146.304 14.732,-146.304 13.716,-147.32 13.319,-147.32 12.43,-148.209 11.43,-148.209 ; U4_B.5@18.288,-63.04 18.288,-61.836 17.968,-61.516 14.926,-61.516 14.907,-61.497 14.459,-61.497 13.716,-60.754 12.192,-60.754 ; U4_D.5@18.481,-119.748 18.481,-118.636 18.257,-118.412 13.462,-118.412 ; U4_A.5@18.481,-33.786 18.481,-32.563 18.224,-32.306 13.462,-32.306 12.7,-33.068 11.176,-33.068 ; U4_C.5@19.05,-90.936 19.05,-89.964 18.542,-89.456 13.462,-89.456 13.208,-89.71
  Bottom Layer w0.762: v4(4.826,-147.32) 4.826,-142.224 J3_E.1@6.08,-140.97 5.334,-140.97 3.429,-139.065 3.429,-136.779 4.826,-135.382 4.826,-121.519 4.807,-121.5 4.807,-118.431 v4(4.826,-118.412) 4.826,-113.824 J3_D.1@6.08,-112.57 4.826,-112.57 4.064,-111.808 4.064,-109.014 5.08,-107.998 v4(5.08,-90.472) 6.08,-89.472 6.08,-86.664 5.842,-86.426 5.842,-85.374 6.08,-85.136 J3_C.1@6.08,-84.122 4.064,-82.106 4.064,-80.566 5.588,-79.042 5.588,-72.017 5.607,-71.998 5.607,-62.551 v4(5.334,-62.278) 5.588,-62.278 5.607,-62.259 5.607,-59.806 6.096,-59.317 J3_B.1@6.096,-55.42 4.572,-55.42 3.81,-54.658 3.81,-51.61 5.334,-50.086 v4(5.334,-33.322) 5.842,-33.068 5.842,-29.599 6.35,-29.091 J3_A.1@6.35,-27.226 5.588,-27.226 2.667,-24.305 2.667,-21.217 5.3,-18.584 5.721,-18.584 v4(6.223,-18.082)
+10V: C3_A.2 C3_B.2 C3_C.2 C3_D.2 C3_E.2 C4.2 C7_A.2 C7_B.2 C7_C.2 C7_D.2 C7_E.2 U5_A.7 U5_B.7 U5_C.7 U5_D.7 U5_E.7 U6_A.8 U6_B.8 U6_C.8 U6_D.8 U6_E.8 U101.3 U102.3 | length 308
  Top Layer w0.762: U101.3@2.526,-8.607 2.526,-7.383 2.567,-7.383 3.144,-6.806 3.144,-6.683 3.937,-5.89 7.747,-5.89 10.527,-8.67 U102.3@10.527,-9.714 ; U102.3@10.527,-10.589 U102.3@10.527,-9.714 ; U6_B.8@21.956,-70.929 22.274,-70.929 C3_B.2@23.703,-69.5 24.29,-69.5 26.559,-67.231 v4(27.305,-67.231) 27.94,-66.596 27.94,-64.056 v4(30.226,-61.77) ; U6_A.8@23.178,-42.577 C3_A.2@23.178,-40.688 23.432,-40.434 24.384,-40.434 25.527,-39.291 25.527,-36.243 29.21,-32.56 v4(29.464,-32.56) ; U6_E.8@23.272,-155.448 23.86,-155.448 C3_E.2@25.4,-153.908 26.432,-153.908 28.194,-152.146 v4(28.194,-149.987) ; U6_D.8@23.653,-127.683 24.384,-126.952 C3_D.2@24.384,-125.508 25.67,-125.508 v4(26.662,-124.516) 26.662,-123.23 30.144,-119.748 v4(30.988,-119.748) ; U6_C.8@23.907,-99.489 23.907,-97.791 C3_C.2@24.384,-97.314 26.432,-97.314 v4(27.178,-96.568) 27.178,-93.012 v4(29.972,-90.218) ; v4(30.48,-19.86) 30.48,-19.733 18.923,-8.176 12.065,-8.176 U102.3@10.527,-9.714 ; U5_E.7@36.767,-158.496 v4(38.735,-158.496) ; U5_C.7@37.656,-102.029 39.101,-102.029 v4(39.116,-102.044) ; U5_B.7@37.656,-73.327 v4(38.862,-73.327) ; U5_A.7@37.656,-44.879 v4(38.862,-44.879) ; U5_D.7@37.91,-129.969 v4(39.37,-129.969)
  Bottom Layer w0.762: v4(26.662,-124.516) 28.194,-126.048 28.194,-133.223 34.29,-139.319 34.29,-145.415 29.718,-149.987 ; v4(27.178,-96.568) 29.972,-99.362 ; v4(27.305,-67.231) 27.305,-70.533 27.686,-70.914 ; v4(28.194,-149.987) 29.718,-149.987 ; v4(29.972,-90.218) 31.242,-90.218 33.655,-87.805 33.655,-80.947 29.718,-77.01 29.718,-72.946 27.686,-70.914 ; v4(30.226,-61.77) 32.004,-61.77 34.036,-59.738 34.036,-53.642 30.718,-50.324 30.718,-42.228 30.988,-41.958 ; v4(30.48,-19.86) 30.48,-20.114 33.782,-23.416 33.782,-30.842 32.493,-32.131 29.893,-32.131 v4(29.464,-32.56) 29.464,-34.592 30.988,-36.116 30.988,-41.958 ; v4(38.735,-158.496) 38.989,-158.242 C7_E.2@38.989,-157.591 37.576,-157.591 29.972,-149.987 29.718,-149.987 ; v4(38.862,-73.327) 38.862,-72.676 C7_B.2@39.116,-72.422 33.004,-72.422 31.496,-70.914 27.686,-70.914 ; v4(38.862,-44.879) C7_A.2@38.862,-43.593 32.623,-43.593 30.988,-41.958 ; v4(39.116,-102.044) C7_C.2@39.116,-100.886 31.496,-100.886 29.972,-99.362 ; v4(39.37,-129.969) 39.37,-129.4 C7_D.2@38.608,-128.638 36.642,-128.638 30.988,-122.984 v4(30.988,-119.748) 34.036,-116.7 34.036,-111.3 33.02,-110.284 31.242,-110.284 30.48,-109.522 30.48,-103.874 30.499,-103.855 30.499,-102.683 29.972,-102.156 29.972,-99.362